# KiCad board processed.kicad_pcb (continued)
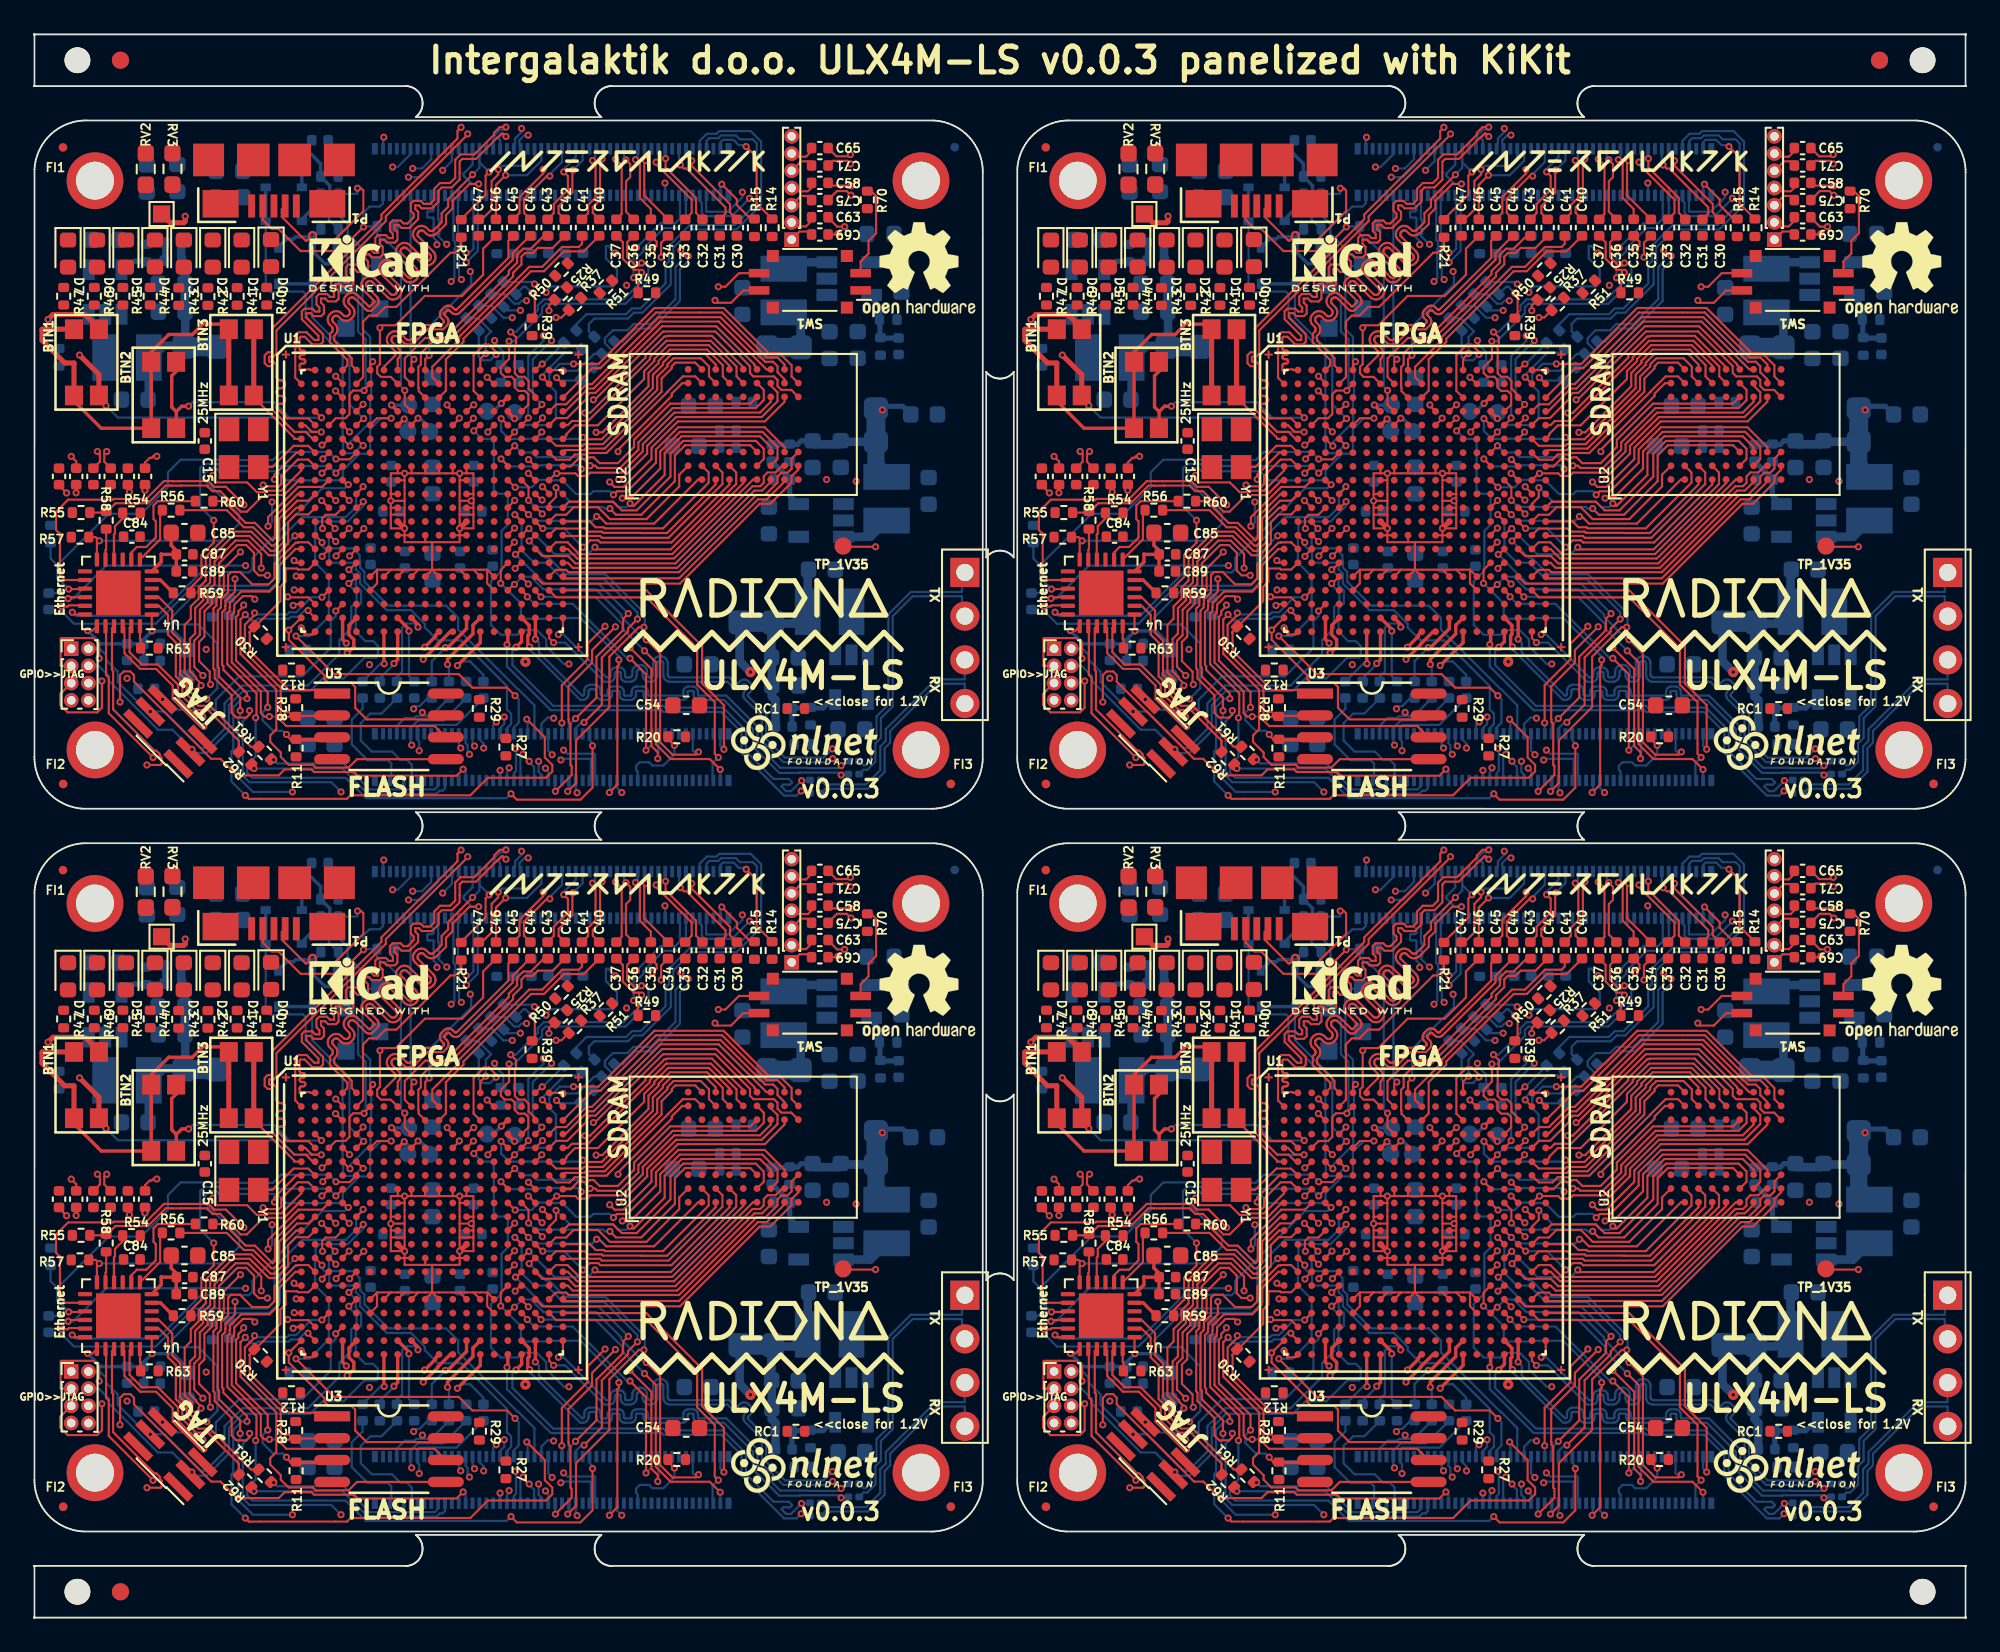
[diagram p0: board, top side]
## Routing (per net, layer and track width the routed paths; a pad name or vN(x,y) marks a point on that pad's centre or on a via; arc(x,y) is an arc through that point) (continued)
  Top w0.2: v1(21.76,15.33) 21.76,15.44 U1#3.W8
  Bottom w0.127: C56#3.2 21.76,12.7 v1(21.76,15.33)
Board_2-/serdes/S_4_P: length 4.8
  Top w0.2: v1(24.58,13.32) 25.91,14.65 U1#3.Y14
  Bottom w0.127: C64#3.2 26.09,12.78 25.31,13.56 24.82,13.56 v1(24.58,13.32)
Board_2-/serdes/S_5_N: length 72
  Top w0.127: C71#3.1 46.39,42.65 47.24,42.65 v1(47.42,42.47)
  Top w0.2: v1(27.98,14.39) 28.31,14.72 U1#3.Y17
  In2.Cu w0.127: v1(44.58,6.63) 45.15,6.06 47.91,6.06 48.97,7.13 48.97,9.48 51.59,12.1 51.59,19.16 54.03,21.6 54.03,35.76 49.21,40.58 49.21,41.4 48,42.62 47.57,42.62 v1(47.42,42.47)
  Bottom w0.127: v1(27.98,14.39) 27.78,14.18 27.78,13.35 30.15,10.98 36.55,10.98 36.65,10.88 40.02,10.88 41.35,9.55 41.35,8.34 42.95,6.73 43.84,6.73 44.01,6.56 44.01,6.5 43.91,6.4 43.52,6.4 43.41,6.29 43.68,6.02 43.97,6.02 v1(44.58,6.63) 45.03,6.63 C93#3.2
Board_2-/serdes/S_5_P: length 71.7
  Top w0.127: v1(47.42,43.02) 47.32,42.91 46.6,42.91 C65#3.2
  Top w0.2: v1(27.46,14.54) 27.51,14.59 U1#3.Y16
  In2.Cu w0.127: v1(44.56,6.03) 44.79,5.81 48.01,5.81 49.23,7.02 49.23,9.37 51.85,11.99 51.85,19.05 54.29,21.49 54.29,35.87 49.47,40.69 49.47,41.51 48.1,42.87 47.57,42.87 v1(47.42,43.02)
  Bottom w0.127: v1(27.46,14.54) 27.46,13.27 30.01,10.73 36.44,10.73 36.55,10.62 39.91,10.62 41.09,9.44 41.09,8.23 43.56,5.76 44.29,5.76 v1(44.56,6.03) 44.74,6.03 44.79,5.98 44.97,5.98 C94#3.2
Board_2-/serdes/S_6_N: length 4.5
  Top w0.2: U1#3.W14 25.48,15.67 25.48,15.17 24,13.69 v1(24,13.39)
  Bottom w0.127: C74#3.1 24.09,13.3 v1(24,13.39)
Board_2-/serdes/S_6_P: length 4.6
  Top w0.2: v1(23.88,14.37) 24.01,14.37 25.11,15.46 U1#3.W13
  Bottom w0.127: C57#3.2 23.09,13.57 v1(23.88,14.37)
Board_2-/serdes/S_7_N: length 70.3
  Top w0.127: v1(47.45,40.65) 47.21,40.89 46.63,40.89 46.12,40.38 C75#3.1
  Top w0.2: U1#3.W18 29.11,14.86 v1(29.11,14.86)
  In2.Cu w0.127: v1(47.45,40.65) 47.58,40.78 47.94,40.78 48.88,39.84 48.92,39.79 48.95,39.74 48.96,39.68 48.96,39.61 48.95,39.55 48.92,39.49 48.84,39.39 48.81,39.34 48.8,39.28 48.8,39.21 48.81,39.15 48.84,39.09 48.88,39.05 48.91,39.02 48.96,38.98 49.01,38.95 49.07,38.94 49.14,38.94 49.2,38.95 49.26,38.98 49.36,39.06 49.41,39.09 49.47,39.1 49.54,39.1 49.6,39.09 49.66,39.06 49.71,39.02 50.22,38.51 50.24,38.48 50.25,38.45 50.26,38.41 50.26,38.38 50.25,38.34 50.24,38.31 50.22,38.28 49.82,37.88 49.76,37.81 49.72,37.73 49.7,37.64 49.7,37.54 49.72,37.45 49.76,37.37 49.82,37.3 49.85,37.26 49.93,37.2 50.01,37.16 50.1,37.14 50.19,37.14 50.28,37.16 50.37,37.2 50.44,37.26 50.84,37.66 50.86,37.68 50.9,37.7 50.93,37.71 50.97,37.71 51,37.7 51.04,37.68 51.07,37.66 53.48,35.24 53.48,24.53 52.76,23.82 52.76,21.66 50.49,19.38 50.49,11.83 48.23,9.58 48.23,7.83 47.75,7.34 47.04,7.34 v1(46.88,7.51)
  Bottom w0.127: C91#3.2 47.15,7.77 v1(46.88,7.51) 46.73,7.36 44.95,7.36 44.93,7.38 43.34,7.38 42.02,8.71 42.02,9.77 40.21,11.58 38.63,11.58 38.62,11.58 38.6,11.59 38.59,11.59 38.58,11.61 38.57,11.62 38.56,11.63 38.56,11.65 38.56,11.8 38.55,11.87 38.53,11.93 38.49,11.99 38.44,12.04 38.39,12.07 38.32,12.1 38.25,12.1 38.01,12.1 37.95,12.1 37.88,12.07 37.82,12.04 37.77,11.99 37.74,11.93 37.71,11.87 37.71,11.8 37.71,11.65 37.7,11.63 37.7,11.62 37.69,11.61 37.68,11.59 37.66,11.59 37.65,11.58 37.63,11.58 35.73,11.58 35.71,11.58 35.69,11.59 35.68,11.59 35.67,11.61 35.66,11.62 35.66,11.63 35.65,11.65 35.65,11.8 35.65,11.87 35.62,11.93 35.59,11.99 35.54,12.04 35.48,12.07 35.41,12.1 35.35,12.1 35.01,12.1 34.94,12.1 34.87,12.07 34.82,12.04 34.77,11.99 34.73,11.93 34.71,11.87 34.7,11.8 34.7,11.65 34.7,11.63 34.69,11.62 34.68,11.61 34.67,11.59 34.66,11.59 34.64,11.58 34.63,11.58 34.33,11.58 34.31,11.58 34.29,11.59 34.28,11.59 34.27,11.61 34.26,11.62 34.26,11.63 34.25,11.65 34.25,11.8 34.25,11.87 34.22,11.93 34.19,11.99 34.14,12.04 34.08,12.07 34.01,12.1 33.95,12.1 33.61,12.1 33.54,12.1 33.47,12.07 33.42,12.04 33.37,11.99 33.33,11.93 33.31,11.87 33.3,11.8 33.3,11.65 33.3,11.63 33.29,11.62 33.28,11.61 33.27,11.59 33.26,11.59 33.24,11.58 33.23,11.58 33.03,11.58 33,11.58 32.97,11.59 32.95,11.6 32.93,11.62 32.92,11.65 32.91,11.67 32.9,11.7 32.9,11.85 32.89,11.93 32.87,12 32.83,12.07 32.77,12.13 32.7,12.17 32.63,12.2 32.55,12.2 32.3,12.2 32.23,12.2 32.15,12.17 32.08,12.13 32.03,12.07 31.98,12 31.96,11.93 31.95,11.85 31.95,11.7 31.95,11.67 31.94,11.65 31.92,11.62 31.9,11.6 31.88,11.59 31.85,11.58 31.83,11.58 29.32,14.09 29.32,14.65 v1(29.11,14.86)
Board_2-/serdes/S_7_P: length 70.9
  Top w0.127: C58#3.2 46.28,41.21 47.45,41.21 v1(47.46,41.21)
  Top w0.2: U1#3.W17 28.75,15.66 28.75,15.14 28.67,15.07 28.67,14.52 v1(28.78,14.41)
  In2.Cu w0.127: v1(46.88,6.96) 46.99,7.07 47.84,7.07 48.49,7.72 48.49,9.47 50.75,11.73 50.75,19.29 53.02,21.55 53.02,23.71 53.73,24.43 53.73,35.38 51.24,37.87 51.17,37.93 51.09,37.97 51,37.99 50.9,37.99 50.81,37.97 50.73,37.93 50.66,37.87 50.26,37.47 50.23,37.45 50.2,37.44 50.16,37.43 50.13,37.43 50.09,37.44 50.06,37.45 50.03,37.47 50.01,37.5 49.99,37.54 49.98,37.57 49.98,37.61 49.99,37.64 50.01,37.68 50.03,37.7 50.43,38.1 50.49,38.17 50.53,38.26 50.55,38.35 50.55,38.44 50.53,38.53 50.49,38.61 50.43,38.69 48.07,41.04 47.62,41.04 v1(47.46,41.21)
  Bottom w0.127: v1(28.78,14.41) 28.78,14.26 31.72,11.32 31.85,11.32 31.93,11.33 32,11.36 32.07,11.4 32.13,11.46 32.17,11.53 32.19,11.6 32.2,11.68 32.2,11.83 32.21,11.86 32.22,11.88 32.23,11.9 32.25,11.92 32.27,11.94 32.3,11.95 32.33,11.95 32.53,11.95 32.55,11.95 32.58,11.94 32.6,11.92 32.62,11.9 32.64,11.88 32.65,11.86 32.65,11.83 32.65,11.68 32.66,11.6 32.68,11.53 32.73,11.46 32.78,11.4 32.85,11.36 32.93,11.33 33,11.32 33.25,11.32 33.31,11.33 33.38,11.35 33.44,11.39 33.49,11.44 33.52,11.5 33.55,11.56 33.55,11.63 33.55,11.78 33.56,11.79 33.56,11.81 33.57,11.82 33.58,11.84 33.59,11.84 33.61,11.85 33.63,11.85 33.93,11.85 33.94,11.85 33.96,11.84 33.97,11.84 33.98,11.82 33.99,11.81 34,11.79 34,11.78 34,11.63 34.01,11.56 34.03,11.5 34.07,11.44 34.12,11.39 34.17,11.35 34.24,11.33 34.31,11.32 34.65,11.32 34.71,11.33 34.78,11.35 34.84,11.39 34.89,11.44 34.92,11.5 34.95,11.56 34.95,11.63 34.95,11.78 34.96,11.79 34.96,11.81 34.97,11.82 34.98,11.84 34.99,11.84 35.01,11.85 35.03,11.85 35.33,11.85 35.34,11.85 35.36,11.84 35.37,11.84 35.38,11.82 35.39,11.81 35.4,11.79 35.4,11.78 35.4,11.63 35.41,11.56 35.43,11.5 35.47,11.44 35.52,11.39 35.57,11.35 35.64,11.33 35.71,11.32 37.65,11.32 37.72,11.33 37.79,11.35 37.84,11.39 37.89,11.44 37.93,11.5 37.95,11.56 37.96,11.63 37.96,11.78 37.96,11.79 37.97,11.81 37.98,11.82 37.99,11.84 38,11.84 38.02,11.85 38.03,11.85 38.23,11.85 38.25,11.85 38.26,11.84 38.28,11.84 38.29,11.82 38.3,11.81 38.3,11.79 38.31,11.78 38.31,11.63 38.31,11.56 38.34,11.5 38.37,11.44 38.42,11.39 38.48,11.35 38.55,11.33 38.61,11.32 40.07,11.32 41.76,9.63 41.76,8.61 43.28,7.08 44.45,7.08 44.48,7.11 46.73,7.11 v1(46.88,6.96) 46.93,7.01 C92#3.2
Board_2-BTN1: length 25.5
  Top w0.127: v1(16.67,26.89) 16.66,26.9 16.12,26.9 15.73,27.29 U1#3.E1 ; v1(4.16,28.42) 4.16,28.61 BTN1#4.2
  Top w0.3: BTN1#4.2 3.75,30.23 v1(2.62,31.36) ; v1(0.79,33.43) 1.08,33.72 2.94,33.72 3.75,32.91 BTN1#4.2
  In2.Cu w0.3: v1(0.79,33.43) 0.5,33.14 0.5,31.89 1.03,31.36 v1(2.62,31.36)
  Bottom w0.127: v1(16.67,26.89) 15.1,26.89 14.26,27.73 4.85,27.73 v1(4.16,28.42)
Board_2-BTN2: length 13.6
  Top w0.127: U1#3.D2 v1(16.68,27.72)
  Top w0.2: BTN2#3.2 8.23,30.42 7.98,30.16 7.98,28.34 8.25,28.08 ; 8.25,28.08 8.25,27.13 BTN2#3.2 ; 8.25,28.08 8.56,28.39 v1(8.96,28.39)
  Bottom w0.127: v1(8.96,28.39) 9.19,28.63 13.92,28.63 14.82,27.72 v1(16.68,27.72)
Board_2-BTN3: length 7.8
  Top w0.127: BTN3#3.2 12.75,28.91 15.1,26.55 15.1,26.49 U1#3.F1
  Top w0.3: BTN3#3.2 BTN3#3.2
Board_2-CAM0_C_N: length 31.9
  Top w0.127: v1(25.18,44.22) 25.18,44.18 20.42,39.43 20.42,39.16 14.06,32.8 14.06,31.45 13.89,31.27 13.66,31.27 13.64,31.25 13.64,31 13.66,30.98 13.89,30.98 14.06,30.8 14.06,30.13 14.07,30.07 14.09,30.03 14.11,29.98 14.15,29.95 14.19,29.92 14.24,29.9 14.29,29.9 14.34,29.9 14.39,29.89 14.44,29.88 14.48,29.85 14.51,29.81 14.54,29.77 14.56,29.72 14.56,29.67 14.56,29.62 14.54,29.57 14.51,29.53 14.48,29.49 14.44,29.47 14.39,29.45 14.34,29.44 14.29,29.44 14.24,29.44 14.19,29.42 14.15,29.39 14.11,29.36 14.09,29.32 14.07,29.27 14.06,29.22 14.07,29.17 14.09,29.12 14.11,29.08 14.15,29.04 14.19,29.01 14.24,29 14.29,28.99 14.34,28.99 14.39,28.98 14.44,28.97 14.48,28.94 14.51,28.9 14.54,28.86 14.56,28.81 14.56,28.76 14.56,28.71 14.54,28.66 14.51,28.62 14.48,28.59 14.44,28.56 14.39,28.54 14.34,28.54 14.29,28.54 14.24,28.53 14.19,28.51 14.15,28.49 14.11,28.45 14.09,28.41 14.07,28.36 14.06,28.31 14.69,27.69 15.92,27.69 U1#3.E2
  In2.Cu w0.127: v1(28.31,44.53) 28.31,44.33 27.33,43.35 26.26,43.35 26.23,43.36 26.23,43.35 24.75,43.35 24.53,43.58 24.53,43.77 24.97,44.22 v1(25.18,44.22)
  Bottom w0.127: v1(28.31,44.53) 28.31,44.33 27.93,43.95 27.93,43.64 27.86,43.57 J2#3.40
Board_2-CAM0_C_P: length 32.3
  Top w0.127: U1#3.F2 16.17,26.49 15.76,26.9 15.11,26.9 13.81,28.2 13.81,30.7 13.79,30.72 13.55,30.72 13.38,30.9 13.38,31.35 13.55,31.53 13.79,31.53 13.81,31.55 13.81,32.91 20.17,39.26 20.17,39.53 24.58,43.95 24.58,44.39 v1(24.79,44.6)
  In2.Cu w0.127: v1(28.69,44.15) 28.49,44.15 27.44,43.1 24.65,43.1 24.27,43.47 24.27,43.88 24.79,44.4 v1(24.79,44.6)
  Bottom w0.127: v1(28.69,44.15) 28.49,44.15 28.19,43.85 28.19,43.64 28.26,43.57 J2#3.42
Board_2-CAM0_D0_N: length 32.1
  Top w0.127: U1#3.A5 18.44,30.77 18.44,31.19 17.43,32.2 17.43,32.49 17.48,32.54 17.54,32.62 17.58,32.71 17.61,32.81 17.61,32.91 17.58,33 17.54,33.09 17.48,33.17 17.37,33.28 17.34,33.31 17.32,33.36 17.31,33.4 17.31,33.45 17.32,33.5 17.34,33.54 17.37,33.58 17.38,33.59 17.42,33.62 17.46,33.64 17.51,33.65 17.56,33.65 17.6,33.64 17.65,33.62 17.69,33.59 17.79,33.48 17.87,33.42 17.96,33.38 18.06,33.36 18.16,33.36 18.25,33.38 18.34,33.42 18.42,33.48 18.47,33.53 18.53,33.61 18.58,33.7 18.6,33.8 18.6,33.9 18.58,34 18.53,34.09 18.47,34.17 18.3,34.34 18.27,34.38 18.25,34.42 18.24,34.47 18.24,34.52 18.25,34.57 18.27,34.61 18.3,34.65 18.34,34.68 18.39,34.71 18.44,34.72 18.49,34.72 18.53,34.71 18.58,34.68 18.62,34.65 19.25,34.02 19.3,33.98 19.36,33.95 19.43,33.93 19.5,33.93 19.56,33.95 19.62,33.98 19.67,34.02 19.92,34.27 19.97,34.32 20,34.38 20.01,34.45 20.01,34.52 20,34.58 19.97,34.64 19.92,34.69 19.92,34.73 19.27,35.38 19.26,35.42 19.26,35.47 19.27,35.52 19.3,35.57 19.33,35.61 19.37,35.64 19.41,35.66 19.46,35.67 19.51,35.67 19.56,35.66 19.6,35.64 19.64,35.61 20.52,34.73 20.6,34.66 20.69,34.62 20.79,34.6 20.89,34.6 20.99,34.62 21.08,34.66 21.16,34.73 21.2,34.77 21.26,34.84 21.3,34.94 21.33,35.03 21.33,35.13 21.3,35.23 21.26,35.32 21.2,35.4 21.2,35.41 20.32,36.29 20.3,36.33 20.29,36.38 20.29,36.43 20.3,36.47 20.32,36.52 20.35,36.56 20.36,36.57 20.4,36.6 20.44,36.62 20.49,36.63 20.53,36.63 20.58,36.62 20.62,36.6 20.66,36.57 21.51,35.72 21.59,35.65 21.68,35.61 21.78,35.59 21.88,35.59 21.98,35.61 22.07,35.65 22.15,35.72 22.19,35.76 22.25,35.83 22.29,35.93 22.32,36.02 22.32,36.12 22.29,36.22 22.25,36.31 22.19,36.39 22.19,36.42 21.29,37.32 21.28,37.37 21.28,37.42 21.29,37.46 21.31,37.51 21.34,37.55 21.35,37.56 21.39,37.59 21.43,37.61 21.48,37.62 21.52,37.62 21.57,37.61 21.61,37.59 21.65,37.56 22.5,36.71 22.58,36.64 22.67,36.6 22.77,36.58 22.87,36.58 22.97,36.6 23.06,36.64 23.14,36.71 23.18,36.75 23.24,36.82 23.28,36.92 23.31,37.01 23.31,37.11 23.28,37.21 23.24,37.3 23.18,37.38 23.18,37.39 22.29,38.27 22.28,38.29 22.27,38.32 22.27,38.41 22.28,38.45 22.3,38.5 22.33,38.53 22.34,38.55 22.38,38.58 22.42,38.6 22.47,38.61 22.51,38.61 22.56,38.6 22.6,38.58 22.64,38.55 22.75,38.44 22.83,38.38 22.92,38.33 23.01,38.31 23.11,38.31 23.21,38.33 23.3,38.38 23.37,38.44 23.92,38.98 23.92,39.5 24.3,39.88 24.3,40.32 25.29,41.31 v1(25.82,41.31)
  Bottom w0.127: v1(25.82,41.31) 25.41,41.31 24.94,41.79 24.94,41.91 25.46,42.43 J2#3.28
Board_2-CAM0_D0_P: length 36.1
  Top w0.127: v1(25.46,41.85) 24.76,41.15 24.76,41.14 24.04,40.43 24.04,39.99 23.66,39.61 23.66,39.09 23.21,38.64 23.18,38.61 23.13,38.59 23.09,38.58 23.04,38.58 22.99,38.59 22.95,38.61 22.91,38.64 22.8,38.75 22.73,38.81 22.64,38.85 22.54,38.87 22.44,38.87 22.35,38.85 22.26,38.81 22.18,38.75 22.13,38.7 22.07,38.62 22.02,38.53 22,38.43 22,38.33 22.02,38.24 22.07,38.15 22.13,38.07 22.98,37.22 23.01,37.18 23.03,37.14 23.04,37.09 23.04,37.04 23.03,36.99 23.01,36.95 22.98,36.91 22.94,36.88 22.89,36.85 22.85,36.84 22.8,36.84 22.75,36.85 22.7,36.88 22.66,36.91 21.81,37.76 21.74,37.82 21.65,37.86 21.55,37.88 21.45,37.88 21.36,37.86 21.27,37.82 21.19,37.76 21.14,37.71 21.08,37.63 21.03,37.54 21.01,37.44 21.01,37.34 21.03,37.25 21.08,37.16 21.14,37.08 21.99,36.23 22.02,36.19 22.04,36.15 22.05,36.1 22.05,36.05 22.04,36 22.02,35.96 21.99,35.92 21.95,35.89 21.9,35.86 21.86,35.85 21.81,35.85 21.76,35.86 21.71,35.89 21.67,35.92 20.82,36.77 20.75,36.83 20.66,36.87 20.56,36.89 20.46,36.89 20.37,36.87 20.28,36.83 20.2,36.77 20.15,36.72 20.09,36.64 20.04,36.55 20.02,36.45 20.02,36.35 20.04,36.26 20.09,36.17 20.15,36.09 21,35.24 21.03,35.2 21.05,35.16 21.06,35.11 21.06,35.06 21.05,35.01 21.03,34.97 21,34.93 20.96,34.9 20.91,34.87 20.87,34.86 20.82,34.86 20.77,34.87 20.72,34.9 20.68,34.93 19.8,35.81 19.72,35.87 19.63,35.91 19.54,35.93 19.44,35.93 19.34,35.91 19.25,35.87 19.17,35.81 19.13,35.77 19.07,35.69 19.02,35.6 19,35.5 19,35.4 19.02,35.3 19.07,35.21 19.13,35.13 19.73,34.53 19.74,34.52 19.75,34.5 19.75,34.49 19.75,34.48 19.75,34.46 19.74,34.45 19.73,34.44 19.51,34.21 19.5,34.2 19.48,34.2 19.47,34.19 19.45,34.19 19.44,34.2 19.43,34.2 19.42,34.21 18.78,34.85 18.7,34.91 18.61,34.96 18.51,34.98 18.41,34.98 18.31,34.96 18.22,34.91 18.14,34.85 18.1,34.81 18.04,34.73 18,34.64 17.97,34.55 17.97,34.44 18,34.35 18.04,34.26 18.1,34.18 18.27,34.01 18.3,33.97 18.32,33.93 18.33,33.88 18.33,33.83 18.32,33.78 18.3,33.73 18.27,33.69 18.26,33.68 18.22,33.65 18.18,33.63 18.13,33.62 18.08,33.62 18.04,33.63 17.99,33.65 17.95,33.68 17.85,33.79 17.77,33.85 17.68,33.89 17.58,33.92 17.48,33.92 17.39,33.89 17.3,33.85 17.22,33.79 17.17,33.74 17.11,33.66 17.07,33.57 17.04,33.48 17.04,33.38 17.07,33.28 17.11,33.19 17.17,33.12 17.28,33.01 17.31,32.97 17.33,32.93 17.34,32.88 17.34,32.83 17.33,32.79 17.31,32.74 17.28,32.7 17.17,32.6 17.17,32.09 18.18,31.08 18.18,30.77 U1#3.A4 ; R21#3.1 24.8,39.26 26.22,40.68 26.22,41.79 v1(26.43,42)
  Bottom w0.127: v1(25.46,41.85) 25.86,42.25 J2#3.30 25.86,42.57 v1(26.43,42)
Board_2-CAM0_D1_N: length 32
  Top w0.127: U1#3.B1 15.16,30.05 15.16,32.49 15.36,32.69 15.82,32.69 16.27,32.24 16.51,32.24 16.51,32.48 15.54,33.45 15.54,33.91 15.7,34.06 16.15,34.06 16.32,33.89 16.56,33.89 16.56,34.13 16.39,34.3 16.39,34.76 16.55,34.92 17,34.92 17.17,34.75 17.41,34.75 17.41,34.75 17.41,34.99 17.24,35.16 17.24,35.61 17.4,35.77 17.86,35.77 18.03,35.6 18.27,35.6 18.27,35.6 18.27,35.84 18.1,36.01 18.1,36.47 18.26,36.62 18.71,36.62 18.88,36.45 19.12,36.45 19.12,36.46 19.12,36.7 18.95,36.87 18.95,37.32 19.11,37.48 19.57,37.48 19.74,37.31 19.97,37.31 19.98,37.31 19.98,37.55 19.81,37.72 19.81,38.18 19.96,38.33 20.42,38.33 20.59,38.16 20.83,38.16 20.83,38.17 20.83,38.4 20.66,38.57 20.66,39.03 20.82,39.19 21.27,39.19 21.44,39.02 21.68,39.02 22.04,39.37 22.04,39.58 21.87,39.75 21.87,40.17 22.03,40.33 22.45,40.33 22.62,40.16 22.82,40.16 22.82,40.16 23,40.16 23.23,40.39 23.23,41.03 23.57,41.36 24.15,41.36 24.45,41.67 24.45,42.72 24.76,43.02 25.56,43.02 25.66,43.12 26.71,44.17 26.71,44.29 27.04,44.61 v1(27.4,44.61)
  Bottom w0.127: J2#3.34 26.66,43.85 26.73,43.92 26.73,44.14 27.06,44.47 27.25,44.47 v1(27.4,44.61)
Board_2-CAM0_D1_P: length 32
  Top w0.127: U1#3.A2 16.05,30.49 16.01,30.53 15.68,30.53 15.6,30.45 15.46,30.45 15.41,30.5 15.41,30.74 15.41,30.77 15.42,30.8 15.44,30.82 15.46,30.84 15.48,30.86 15.51,30.87 15.54,30.87 15.61,30.87 15.64,30.88 15.67,30.88 15.69,30.9 15.71,30.92 15.73,30.94 15.74,30.97 15.74,31 15.74,31.03 15.73,31.05 15.71,31.08 15.69,31.1 15.67,31.11 15.64,31.12 15.61,31.13 15.54,31.13 15.51,31.13 15.48,31.14 15.46,31.15 15.44,31.17 15.42,31.2 15.41,31.22 15.41,31.25 15.41,31.28 15.42,31.31 15.44,31.33 15.46,31.35 15.48,31.37 15.51,31.38 15.54,31.38 15.61,31.38 15.64,31.38 15.67,31.39 15.69,31.41 15.71,31.43 15.73,31.45 15.74,31.48 15.74,31.51 15.74,31.54 15.73,31.56 15.71,31.59 15.69,31.61 15.67,31.62 15.64,31.63 15.61,31.63 15.54,31.63 15.51,31.64 15.48,31.65 15.46,31.66 15.44,31.68 15.42,31.71 15.41,31.73 15.41,31.76 15.41,32.37 15.47,32.43 15.71,32.43 16.16,31.98 16.62,31.98 16.77,32.13 16.77,32.59 15.8,33.56 15.8,33.8 15.8,33.8 16.04,33.8 16.21,33.63 16.67,33.63 16.82,33.79 16.82,34.24 16.65,34.41 16.65,34.65 16.66,34.65 16.89,34.65 17.06,34.48 17.52,34.48 17.68,34.64 17.68,35.1 17.51,35.27 17.51,35.5 17.51,35.51 17.75,35.51 17.92,35.34 18.37,35.34 18.53,35.49 18.53,35.95 18.36,36.12 18.36,36.36 18.36,36.36 18.6,36.36 18.77,36.19 19.23,36.19 19.38,36.35 19.38,36.8 19.22,36.97 19.22,37.21 19.22,37.22 19.46,37.22 19.63,37.05 20.08,37.05 20.24,37.2 20.24,37.66 20.07,37.83 20.07,38.07 20.07,38.07 20.31,38.07 20.48,37.9 20.94,37.9 21.09,38.06 21.09,38.51 20.92,38.68 20.92,38.92 20.93,38.92 21.17,38.92 21.33,38.75 21.79,38.75 22.3,39.27 22.3,39.69 22.13,39.86 22.13,40.06 22.14,40.06 22.34,40.06 22.51,39.89 23.1,39.89 23.49,40.28 23.49,40.92 23.67,41.1 24.25,41.1 24.71,41.56 24.71,41.97 24.71,41.97 24.71,42.61 24.86,42.76 25.66,42.76 26.89,44 26.9,44 27.14,44.23 27.23,44.23 v1(27.4,44.07)
  Bottom w0.127: v1(27.4,44.07) 27.25,44.21 27.17,44.21 26.98,44.03 26.98,43.92 27.06,43.85 J2#3.36
Board_2-CAM1_C_N: length 20.3
  Top w0.127: U1#3.F3 16.75,26.14 v1(16.71,26.14)
  In2.Cu w0.127: v1(25.09,37.31) 24.79,37.31 22.27,34.78 22.27,33 19.85,30.58 19.18,30.58 18.22,29.62 18.22,29.13 18.21,29.1 18.2,29.07 18.19,29.05 18.17,29.03 18.14,29.01 18.12,29 18.09,29 17.9,29 17.87,29 17.84,28.99 17.82,28.97 17.8,28.95 17.78,28.93 17.77,28.9 17.77,28.87 17.77,28.85 17.78,28.82 17.8,28.8 17.82,28.77 17.84,28.76 17.87,28.75 17.9,28.75 18.09,28.75 18.12,28.74 18.14,28.73 18.17,28.72 18.19,28.7 18.2,28.68 18.21,28.65 18.22,28.62 17.7,28.1 17.69,28.1 17.68,28.09 17.67,28.09 17.66,28.09 17.65,28.09 17.64,28.1 17.62,28.11 17.61,28.12 17.6,28.12 17.59,28.12 17.58,28.12 17.57,28.11 17.56,28.1 17.45,27.99 17.44,27.99 17.44,27.98 17.43,27.97 17.43,27.95 17.44,27.94 17.44,27.93 17.46,27.92 17.46,27.91 17.46,27.89 17.46,27.88 17.46,27.87 17.46,27.86 17.45,27.85 17.34,27.74 17.33,27.74 17.32,27.73 17.31,27.73 17.3,27.73 17.29,27.73 17.28,27.74 17.26,27.75 17.25,27.76 17.24,27.76 17.23,27.76 17.22,27.76 17.21,27.75 17.2,27.74 17.09,27.64 17.08,27.63 17.08,27.62 17.08,27.61 17.08,27.59 17.08,27.58 17.08,27.57 17.1,27.56 17.1,27.55 17.1,27.54 17.1,27.52 17.1,27.51 17.1,27.5 17.09,27.49 17.09,26.63 16.71,26.26 v1(16.71,26.14)
  Bottom w0.127: v1(25.09,37.31) 25.27,37.31 25.51,37.54 25.51,40.59 J2#3.27
Board_2-CAM1_C_P: length 20.3
  Top w0.127: v1(16.76,25.33) 16.76,25.34 U1#3.G3
  In2.Cu w0.127: v1(16.76,25.33) 17.13,25.7 17.13,26.31 17.35,26.53 17.35,27.39 18.49,28.53 18.49,29.53 19.28,30.33 19.95,30.33 22.52,32.9 22.52,34.66 24.61,36.75 v1(25.1,36.75)
  Bottom w0.127: J2#3.29 25.77,40.55 25.77,37.42 v1(25.1,36.75)
Board_2-CAM1_D0_N: length 19.3
  Top w0.127: U1#3.B4 17.91,29.74 v1(17.51,30.14)
  In2.Cu w0.127: v1(23.39,37.78) 23.74,37.43 23.74,37.21 23.41,36.88 23.38,36.86 23.36,36.85 23.32,36.84 23.29,36.84 23.26,36.85 23.23,36.86 23.21,36.88 22.99,37.1 22.92,37.15 22.85,37.19 22.76,37.21 22.68,37.21 22.59,37.19 22.52,37.15 22.45,37.1 22.42,37.07 22.36,37 22.33,36.92 22.31,36.84 22.31,36.75 22.33,36.67 22.36,36.59 22.42,36.53 22.63,36.31 22.65,36.29 22.67,36.26 22.67,36.23 22.67,36.19 22.67,36.16 22.65,36.13 22.63,36.11 22.61,36.09 22.58,36.07 22.55,36.07 22.51,36.07 22.48,36.07 22.45,36.09 22.43,36.11 22.21,36.32 22.15,36.38 22.07,36.41 21.99,36.43 21.9,36.43 21.82,36.41 21.74,36.38 21.67,36.32 21.64,36.29 21.59,36.22 21.55,36.15 21.53,36.06 21.53,35.98 21.55,35.89 21.59,35.82 21.64,35.75 21.85,35.53 21.87,35.51 21.89,35.48 21.9,35.45 21.9,35.42 21.89,35.38 21.87,35.35 21.85,35.33 21.17,34.65 21.17,33.42 21.17,33.42 21.16,33.41 21.11,33.35 21.08,33.29 21.07,33.22 21.07,33.15 21.08,33.08 21.11,33.02 21.16,32.97 21.26,32.86 21.27,32.85 21.28,32.83 21.28,32.82 21.28,32.8 21.28,32.79 21.27,32.77 21.26,32.76 21.16,32.66 21.14,32.65 21.13,32.64 21.12,32.64 21.1,32.64 21.08,32.64 21.07,32.65 21.06,32.66 20.95,32.76 20.9,32.81 20.84,32.84 20.77,32.85 20.7,32.85 20.63,32.84 20.57,32.81 20.51,32.76 19.42,31.67 19.39,31.67 19.32,31.6 19.28,31.57 19.24,31.56 19.2,31.55 19.16,31.55 19.11,31.56 19.08,31.57 19.04,31.6 18.82,31.82 18.75,31.88 18.66,31.92 18.57,31.94 18.47,31.94 18.38,31.92 18.29,31.88 18.22,31.82 18.18,31.78 18.12,31.71 18.08,31.62 18.06,31.53 18.06,31.43 18.08,31.34 18.12,31.25 18.18,31.17 18.4,30.96 18.42,30.92 18.44,30.88 18.45,30.84 18.45,30.8 18.44,30.76 18.42,30.72 18.4,30.68 17.86,30.14 v1(17.51,30.14)
  Bottom w0.127: v1(23.39,37.78) 23.39,37.98 23.2,38.17 23.2,39.31 23.16,39.35 22.88,39.35 22.83,39.4 22.83,39.67 22.87,39.71 23.13,39.71 23.2,39.78 23.2,40.01 23.06,40.15 J2#3.15
Board_2-CAM1_D0_P: length 20.4
  Top w0.127: v1(17.5,29.28) 17.89,28.89 U1#3.C4
  In2.Cu w0.127: v1(17.5,29.28) 17.71,29.49 17.71,29.63 18.58,30.5 18.6,30.52 18.66,30.59 18.7,30.68 18.72,30.77 18.72,30.87 18.7,30.96 18.66,31.05 18.6,31.12 18.38,31.34 18.36,31.37 18.34,31.41 18.33,31.46 18.33,31.5 18.34,31.54 18.36,31.58 18.38,31.62 18.42,31.64 18.46,31.66 18.5,31.67 18.54,31.67 18.58,31.66 18.62,31.64 18.66,31.62 18.88,31.4 18.95,31.34 19.04,31.3 19.13,31.27 19.23,31.27 19.32,31.3 19.41,31.34 19.48,31.4 19.5,31.42 19.5,31.42 19.54,31.42 20.68,32.56 20.7,32.57 20.71,32.58 20.72,32.58 20.74,32.58 20.76,32.58 20.77,32.57 20.78,32.56 20.89,32.46 20.94,32.41 21,32.38 21.07,32.37 21.14,32.37 21.21,32.38 21.27,32.41 21.33,32.46 21.46,32.59 21.5,32.65 21.54,32.71 21.55,32.78 21.55,32.85 21.54,32.91 21.5,32.98 21.46,33.03 21.36,33.14 21.35,33.15 21.34,33.16 21.34,33.18 21.34,33.19 21.34,33.21 21.35,33.22 21.36,33.24 21.43,33.31 21.43,33.94 21.43,33.97 21.44,34 21.45,34.02 21.47,34.04 21.5,34.05 21.53,34.06 21.55,34.07 21.85,34.07 21.88,34.07 21.91,34.08 21.93,34.09 21.95,34.11 21.96,34.14 21.97,34.17 21.98,34.19 21.97,34.22 21.96,34.25 21.95,34.27 21.93,34.29 21.91,34.31 21.88,34.32 21.85,34.32 21.55,34.32 21.53,34.32 21.5,34.33 21.47,34.35 21.45,34.37 21.44,34.39 21.43,34.42 21.43,34.45 21.43,34.53 22.06,35.16 22.11,35.23 22.15,35.31 22.17,35.39 22.17,35.47 22.15,35.56 22.11,35.63 22.06,35.7 21.84,35.92 21.82,35.94 21.81,35.97 21.8,36 21.8,36.03 21.81,36.07 21.82,36.1 21.84,36.12 21.87,36.14 21.9,36.15 21.93,36.16 21.96,36.16 21.99,36.15 22.02,36.14 22.04,36.12 22.26,35.91 22.33,35.85 22.4,35.82 22.49,35.8 22.57,35.8 22.66,35.82 22.73,35.85 22.8,35.91 22.83,35.94 22.89,36.01 22.92,36.08 22.94,36.17 22.94,36.25 22.92,36.34 22.89,36.41 22.83,36.48 22.62,36.69 22.6,36.72 22.58,36.75 22.58,36.78 22.58,36.81 22.58,36.84 22.6,36.87 22.62,36.9 22.64,36.92 22.67,36.93 22.7,36.94 22.74,36.94 22.77,36.93 22.8,36.92 22.82,36.9 23.04,36.68 23.1,36.63 23.18,36.59 23.27,36.57 23.35,36.57 23.43,36.59 23.51,36.63 23.58,36.68 24.05,37.16 24.05,37.71 v1(23.96,37.8)
  Bottom w0.127: v1(23.96,37.8) 23.94,37.8 23.46,38.29 23.46,38.32 23.47,38.34 23.49,38.37 23.51,38.39 23.53,38.4 23.53,38.56 23.53,38.68 23.51,38.7 23.49,38.72 23.47,38.74 23.46,38.77 23.46,38.79 23.46,38.82 23.47,38.85 23.49,38.87 23.51,38.89 23.53,38.91 23.53,39.05 23.53,39.19 23.51,39.2 23.49,39.22 23.47,39.25 23.46,39.27 23.46,39.3 23.46,39.69 23.46,39.72 23.47,39.74 23.46,39.75 23.46,40.17 23.46,40.2 J2#3.17
Board_2-CAM1_D1_N: length 19.5
  Top w0.127: v1(19.1,28.5) 18.71,28.11 U1#3.D5
  In2.Cu w0.127: v1(19.1,28.5) 19.1,28.62 19.62,29.14 19.63,29.16 19.64,29.17 19.64,29.19 19.64,29.2 19.64,29.22 19.63,29.23 19.61,29.26 19.6,29.27 19.6,29.29 19.6,29.3 19.6,29.32 19.61,29.33 19.62,29.34 19.7,29.42 19.71,29.43 19.73,29.44 19.74,29.44 19.76,29.44 19.77,29.44 19.79,29.43 19.81,29.41 19.83,29.41 19.84,29.4 19.86,29.4 19.87,29.41 19.89,29.41 19.9,29.42 19.98,29.5 20,29.52 20.01,29.55 20.01,29.58 20.01,29.61 20.01,29.63 20,29.66 19.98,29.68 19.81,29.85 19.79,29.87 19.78,29.9 19.77,29.93 19.77,29.95 19.78,29.98 19.79,30.01 19.81,30.03 19.83,30.05 19.86,30.06 19.89,30.07 19.91,30.07 19.94,30.06 19.97,30.05 19.99,30.03 20.16,29.86 20.18,29.84 20.21,29.83 20.23,29.83 20.26,29.83 20.29,29.83 20.32,29.84 20.34,29.86 20.36,29.88 20.37,29.91 20.37,29.94 20.37,29.97 20.37,29.99 20.36,30.02 20.34,30.04 20.31,30.07 20.29,30.09 20.28,30.12 20.27,30.14 20.27,30.17 20.28,30.2 20.29,30.23 20.31,30.25 20.33,30.27 20.36,30.28 20.39,30.28 20.41,30.28 20.44,30.28 20.47,30.27 20.49,30.25 20.52,30.22 20.54,30.2 20.57,30.19 20.59,30.18 20.62,30.18 20.65,30.19 20.67,30.2 20.7,30.22 21.21,30.73 21.21,31.23 22.83,32.85 23.11,33.13 23.12,33.15 23.13,33.17 23.14,33.2 23.14,33.22 23.13,33.25 23.12,33.27 23.11,33.29 23,33.4 22.95,33.46 22.92,33.53 22.9,33.61 22.9,33.69 22.92,33.77 22.95,33.84 23,33.9 23.05,33.95 23.11,34 23.18,34.03 23.26,34.05 23.34,34.05 23.41,34.03 23.48,34 23.55,33.95 24.09,33.4 24.11,33.38 24.14,33.37 24.16,33.37 24.19,33.37 24.21,33.37 24.24,33.38 24.26,33.4 24.27,33.42 24.29,33.44 24.3,33.46 24.31,33.49 24.31,33.51 24.3,33.54 24.29,33.56 24.27,33.58 24.01,33.85 24.01,33.85 23.73,34.13 23.68,34.19 23.65,34.26 23.63,34.34 23.63,34.42 23.65,34.5 23.68,34.57 23.73,34.63 23.78,34.68 23.84,34.73 23.91,34.76 23.99,34.78 24.07,34.78 24.14,34.76 24.21,34.73 24.28,34.68 24.38,34.57 24.4,34.55 24.43,34.54 24.45,34.54 24.48,34.54 24.5,34.54 24.53,34.55 24.55,34.57 24.55,34.57 24.55,35.31 v1(24.22,35.64)
  Bottom w0.127: J2#3.21 24.35,40.55 24.35,38.04 24.45,37.94 24.45,37.57 24.41,37.52 24.41,35.83 v1(24.22,35.64)
Board_2-CAM1_D1_P: length 20.5
  Top w0.127: U1#3.E4 17.92,27.29 v1(18.31,26.9)
  In2.Cu w0.127: v1(24.81,35.75) 24.81,34.47 24.73,34.39 24.73,34.39 24.72,34.37 24.65,34.32 24.58,34.29 24.51,34.27 24.43,34.27 24.35,34.29 24.28,34.32 24.22,34.37 24.11,34.48 24.09,34.49 24.06,34.51 24.04,34.51 24.01,34.51 23.99,34.51 23.96,34.49 23.94,34.48 23.93,34.46 23.91,34.44 23.9,34.42 23.9,34.39 23.9,34.37 23.9,34.34 23.91,34.32 23.93,34.3 24.19,34.03 24.19,34.03 24.47,33.75 24.52,33.69 24.56,33.62 24.57,33.54 24.57,33.46 24.56,33.38 24.52,33.31 24.47,33.25 24.43,33.2 24.36,33.15 24.29,33.12 24.22,33.1 24.14,33.1 24.06,33.12 23.99,33.15 23.93,33.2 23.38,33.75 23.36,33.77 23.33,33.78 23.31,33.78 23.28,33.78 23.26,33.78 23.23,33.77 23.21,33.75 23.2,33.73 23.18,33.71 23.17,33.69 23.17,33.66 23.17,33.64 23.17,33.61 23.18,33.59 23.2,33.57 23.31,33.46 23.36,33.4 23.39,33.33 23.41,33.25 23.41,33.17 23.39,33.09 23.36,33.02 23.31,32.96 23.29,32.95 23.01,32.67 21.47,31.13 21.47,30.61 19.52,28.66 19.52,28.11 19.27,28.11 19.23,28.07 18.77,28.07 18.72,28.02 18.72,27.31 v1(18.31,26.9)
  Bottom w0.127: J2#3.23 24.61,40.6 24.61,38.15 24.71,38.05 24.71,37.45 24.67,37.41 24.67,35.89 v1(24.81,35.75)
Board_2-Camera_GPIO: length 18.4
  Top w0.127: v1(39.74,7.99) 39.53,8.2 39.53,11.19 38.51,12.22 38.51,14.33 35.56,17.29 30.32,17.29 U1#3.U19
  Bottom w0.127: J1#3.97 39.41,6.69 39.41,7.65 v1(39.74,7.99)
Board_2-CLK_25MHz: length 4
  Top w0.127: U1#3.G2 15.91,26.09 15.06,26.09 13.82,24.85 Y1#4.3
Board_2-CM4_1.8V: length 0.4
  Bottom w0.127: J1#3.88 J1#3.90
Board_2-DSI0_C_N: length 15.6
  Top w0.127: R39#3.1 29.08,33.67 29.08,34.81 v1(28.91,34.97)
  In2.Cu w0.127: v1(34.41,35.42) 29.56,35.42 29.1,34.97 v1(28.91,34.97)
  In3.Cu w0.127: v1(34.41,35.42) 34.42,35.43 34.42,37.04 v1(34.98,37.6)
  Bottom w0.127: v1(34.98,37.6) 36.4,39.02 37.24,39.02 37.51,39.29 37.51,40.59 J2#3.87 ; R38#3.2 28.42,35.34 28.54,35.34 v1(28.91,34.97)
Board_2-DSI0_C_P: length 16.9
  Top w0.127: R49#3.1 35.08,35.6 v1(34.82,35.86)
  In2.Cu w0.127: v1(34.82,35.86) 34.53,35.86 32.77,37.61 31.17,37.61 v1(29.06,35.5)
  Bottom w0.127: J2#3.89 37.86,39.26 37.34,38.74 36.57,38.74 35.39,37.56 35.39,37.4 35.38,37.4 35.15,37.17 34.82,37.17 v1(34.82,35.86) ; v1(29.06,35.5) 28.94,35.62 R26#3.1
Board_2-DSI0_D1_P: length 25.7
  In2.Cu w0.127: v1(33.76,37.29) 32.82,38.23 32.82,40.58 34.14,41.9 34.98,41.9 36,40.89 36.64,40.89 v1(36.64,41.36) ; v1(29.74,35.01) 29.74,34.8 28.48,33.54 v1(27.77,33.54) 27.44,33.54 26.74,32.84 v1(26.74,32.21)
  Bottom w0.127: R24#3.1 26.57,34.22 27.25,33.54 v1(27.77,33.54) ; v1(33.76,37.29) 33.35,37.7 33.21,37.7 33.21,36.98 33.85,36.34 33.85,35.59 33.61,35.35 30.01,35.35 29.74,35.08 v1(29.74,35.01) ; v1(26.74,32.21) 26.74,32.06 27.25,31.55 27.25,30.94 R52#3.1 ; v1(36.64,41.36) 36.66,41.35 J2#3.83
